# KiCad board ZPool_v1.0.kicad_pcb
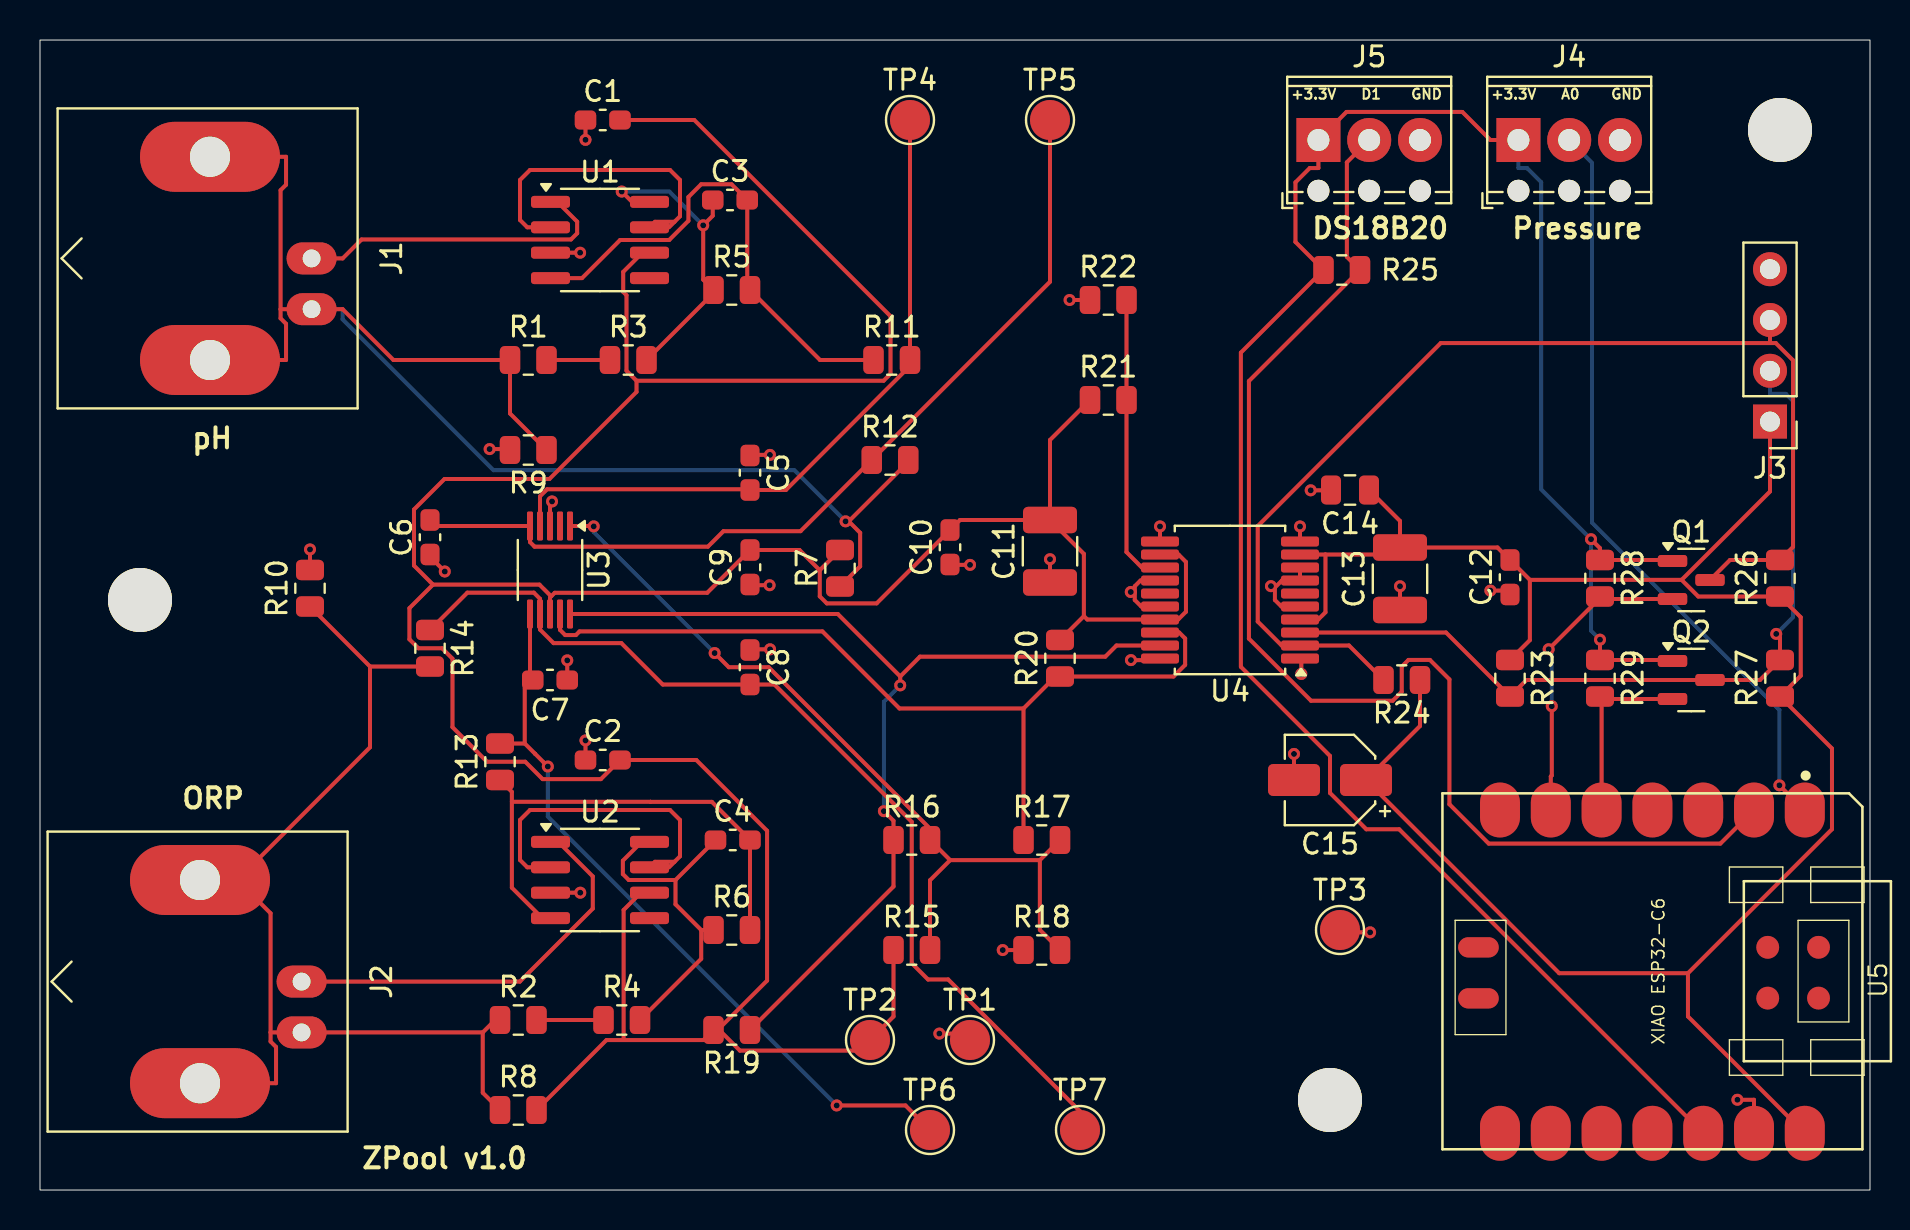
[diagram p0: board, top side]
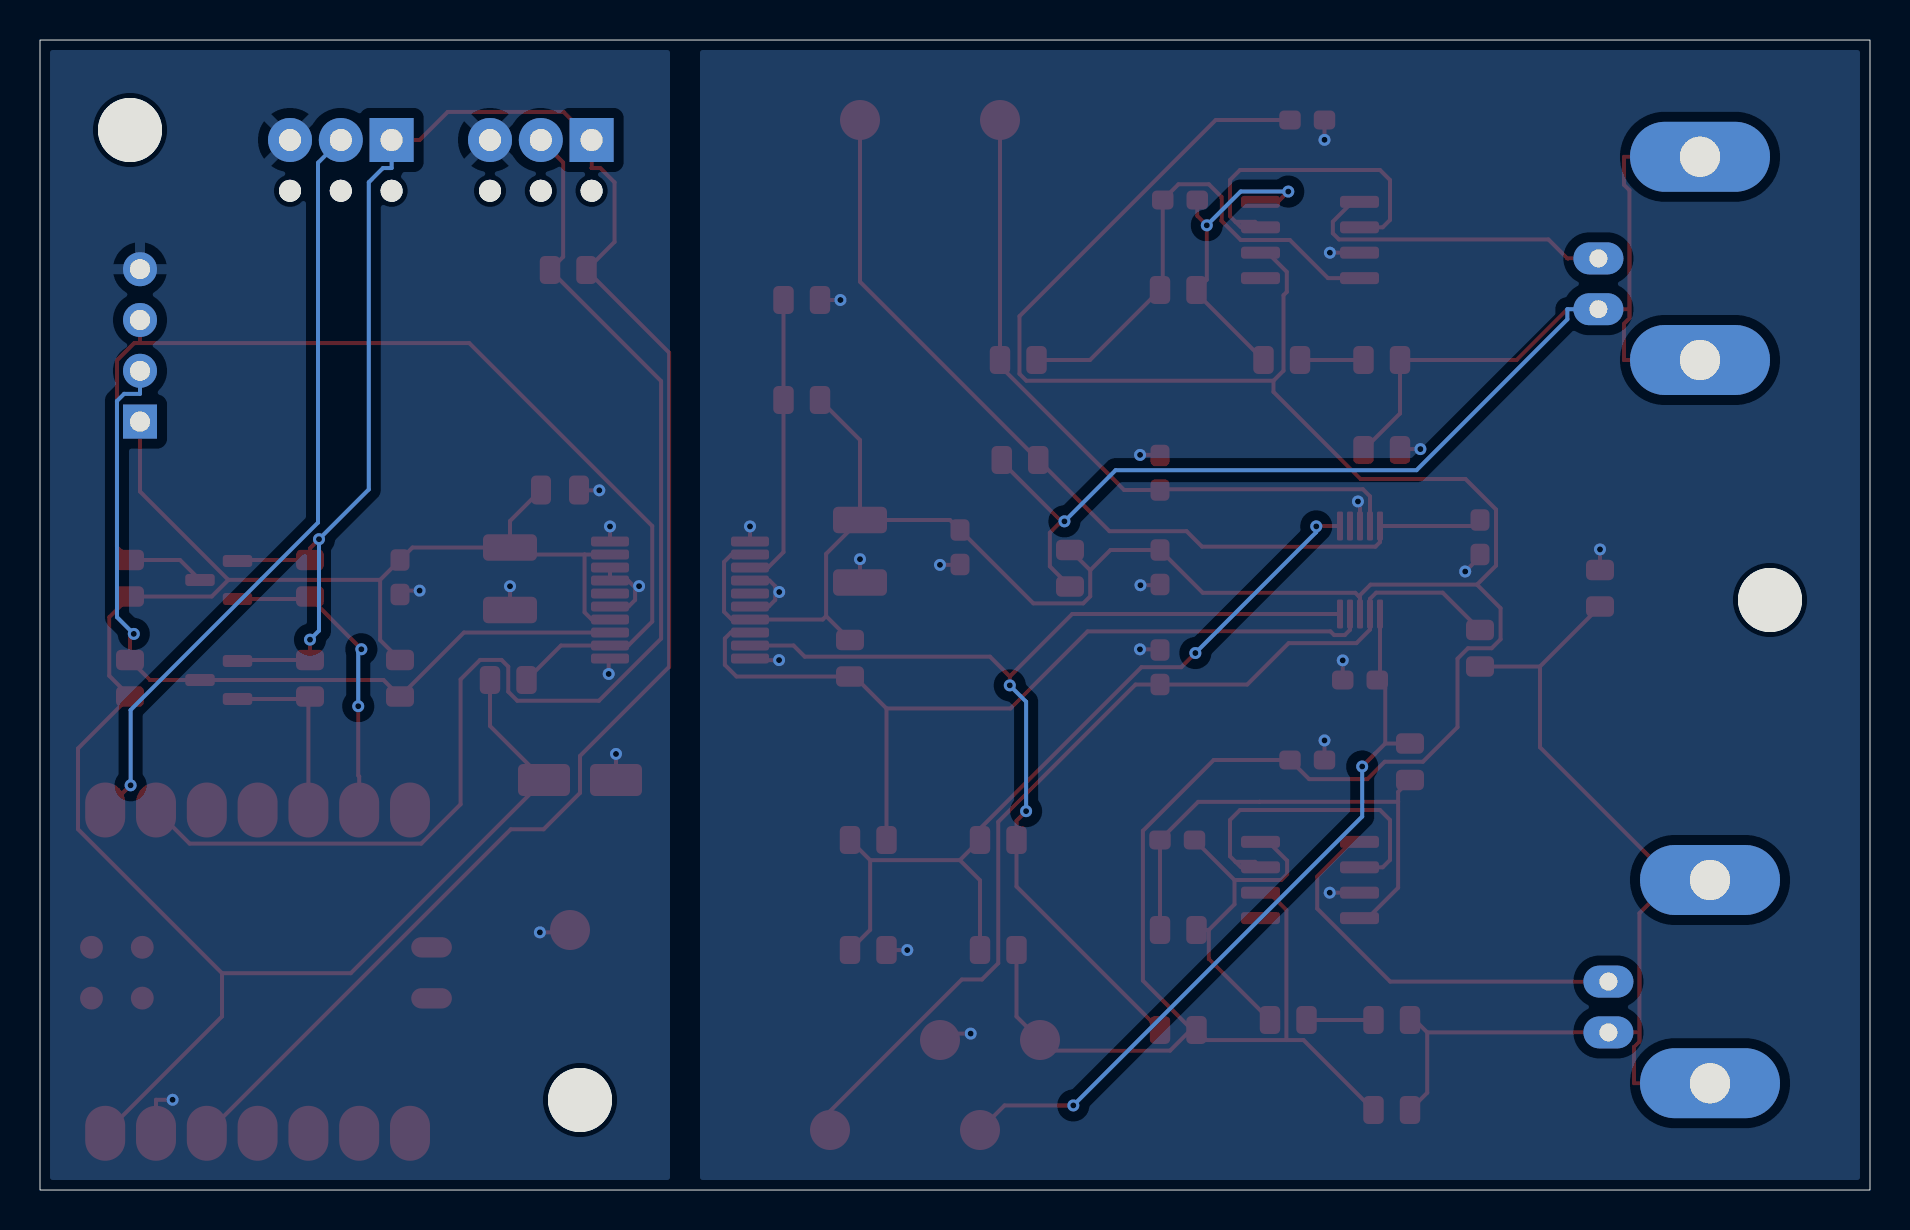
[diagram p1: board, bottom side, seen from below]

Outline 91.5 x 57.5 mm; copper layers: Top, Bottom. Coordinates in mm from the lower left corner of the outline.
Outline path: rectangle 0,57.5 91.5,0
Stack: Top 0.035mm / dielectric 1.51mm FR4 er 4.5 / Bottom 0.035mm

## Placement (name value [footprint] x y rotation side)
C1  100nF  [C_0603_1608Metric_Pad1.08x0.95mm_HandSolder]  28.14 53.5 0 top
C2  100nF  [C_0603_1608Metric_Pad1.08x0.95mm_HandSolder]  28.14 21.5 0 top
C3  100nF  [C_0603_1608Metric_Pad1.08x0.95mm_HandSolder]  34.5 49.5 0 top
C4  100nF  [C_0603_1608Metric_Pad1.08x0.95mm_HandSolder]  34.64 17.5 0 top
C5  1uF  [C_0603_1608Metric_Pad1.08x0.95mm_HandSolder]  35.5 35.86 270 top
C6  1uF  [C_0603_1608Metric_Pad1.08x0.95mm_HandSolder]  19.5 32.64 90 top
C7  1uF  [C_0603_1608Metric_Pad1.08x0.95mm_HandSolder]  25.5 25.5 180 top
C8  1uF  [C_0603_1608Metric_Pad1.08x0.95mm_HandSolder]  35.5 26.14 270 top
C9  100nF  [C_0603_1608Metric_Pad1.08x0.95mm_HandSolder]  35.5 31.14 90 top
C10  100nF  [C_0603_1608Metric_Pad1.08x0.95mm_HandSolder]  45.5 32.14 90 top
C11  10uF  [C_1210_3225Metric_Pad1.33x2.70mm_HandSolder]  50.5 31.94 90 top
C12  100nF  [C_0603_1608Metric_Pad1.08x0.95mm_HandSolder]  73.5 30.64 90 top
C13  10uF  [C_1210_3225Metric_Pad1.33x2.70mm_HandSolder]  68 30.56 90 top
C14  100nF  [C_0805_2012Metric]  65.5 35 180 top
C15  10u  [CP_Elec_4x5.4]  64.5 20.5 180 top
J1  Conn_Coaxial  [BNC_Amphenol_B6252HB-NPP3G-50_Horizontal]  13.58 46.58 90 top
J2  Conn_Coaxial  [BNC_Amphenol_B6252HB-NPP3G-50_Horizontal]  13.08 10.42 90 top
J3  Conn_01x04_Male  [PinHeader_1x04_P2.54mm_Vertical]  86.5 38.42 180 top  (not fitted)
J4  Conn_Pression  [TerminalBlock_Phoenix_MPT-0,5-3-2.54_1x03_P2.54mm_Horizontal]  73.92 52.5 0 top
J5  Conn_DS18B20  [TerminalBlock_Phoenix_MPT-0,5-3-2.54_1x03_P2.54mm_Horizontal]  63.92 52.5 0 top
Q1  BSS138  [SOT-23]  82.56 30.5 0 top
Q2  BSS138  [SOT-23]  82.56 25.5 0 top
R1  100K  [R_0805_2012Metric]  24.41 41.5 0 top
R2  100K  [R_0805_2012Metric]  23.91 8.5 0 top
R3  51K  [R_0805_2012Metric]  29.41 41.5 0 top
R4  51K  [R_0805_2012Metric]  29.09 8.5 0 top
R5  200K  [R_0805_2012Metric]  34.59 45 0 top
R6  1M  [R_0805_2012Metric]  34.59 13 0 top
R7  10K  [R_0805_2012Metric]  40 31.09 90 top
R8  10K  [R_0805_2012Metric]  23.91 4 0 top
R9  10K  [R_0805_2012Metric]  24.41 37 180 top
R10  10K  [R_0805_2012Metric]  13.5 30.09 90 top
R11  10K  [R_0805_2012Metric]  42.59 41.5 0 top
R12  10K  [R_0805_2012Metric]  42.5 36.5 0 top
R13  10K  [R_0805_2012Metric]  23 21.41 90 top
R14  10K  [R_0805_2012Metric]  19.5 27.09 270 top
R15  0  [R_0805_2012Metric]  43.59 12 0 top  (not fitted)
R16  0  [R_0805_2012Metric]  43.59 17.5 0 top  (not fitted)
R17  0  [R_0805_2012Metric]  50.09 17.5 0 top  (not fitted)
R18  0  [R_0805_2012Metric]  50.09 12 0 top  (not fitted)
R19  10K  [R_0805_2012Metric]  34.59 8 180 top
R20  10K  [R_0805_2012Metric]  51 26.59 90 top
R21  R30.9K  [R_0805_2012Metric]  53.41 39.5 0 top
R22  R10K  [R_0805_2012Metric]  53.41 44.5 0 top
R23  10K  [R_0805_2012Metric]  73.5 25.59 270 top
R24  10K  [R_0805_2012Metric]  68.09 25.5 180 top
R25  4K7  [R_0805_2012Metric]  65.09 46 0 top
R26  4,7K  [R_0805_2012Metric]  87 30.59 90 top
R27  4,7K  [R_0805_2012Metric]  87 25.59 90 top
R28  4,7K  [R_0805_2012Metric]  78 30.59 270 top
R29  4,7K  [R_0805_2012Metric]  78 25.59 270 top
REF**  -  [MountingHole_3.2mm_M3]  87 53 0 top
REF**#2  -  [MountingHole_3.2mm_M3]  5 29.5 0 top
REF**#3  -  [MountingHole_3.2mm_M3]  64.5 4.5 0 top
TP1  Test GND Iso  [TestPoint_Pad_D2.0mm]  46.5 7.5 0 top
TP2  Test Vcc Iso  [TestPoint_Pad_D2.0mm]  41.5 7.5 0 top
TP3  Test GND  [TestPoint_Pad_D2.0mm]  65 13 0 top
TP4  Test AIN0  [TestPoint_Pad_D2.0mm]  43.5 53.5 0 top
TP5  Test AIN1  [TestPoint_Pad_D2.0mm]  50.5 53.5 0 top
TP6  Test AIN2  [TestPoint_Pad_D2.0mm]  44.5 3 0 top
TP7  Test AIN3  [TestPoint_Pad_D2.0mm]  52 3 0 top
U1  LMP7721MA/NOPB  [SOIC-8_3.9x4.9mm_P1.27mm]  28 47.5 0 top
U2  LMP7721MA/NOPB  [SOIC-8_3.9x4.9mm_P1.27mm]  28 15.5 0 top
U3  ADS1115IDGS  [VSSOP-10_3x3mm_P0.5mm]  25.5 31 270 top
U4  ADM3260  [SSOP-20_5.3x7.2mm_P0.65mm]  59.5 29.5 180 top
U5  XIAO ESP32-C6  [Seeeduino XIAO-MOUDLE14P-2.54-21X17.8MM]  70.12 19.83 270 top

## Library data of the parts
C1 = -: Mfr. Part #: FCC0603B104K500CT; MANUFACTURER: FOJAN; LCSC Part #: C5137636; ki_fp_filters: C_*
C2-C4 C9 C10 C12 = -: Mfr. Part #: FCC0603B104K500CT; MANUFACTURER: FOJAN; ki_fp_filters: C_*
C5-C8 = -: Mfr. Part #: CGA0603X5R105K160JT; MANUFACTURER: HRE; ki_fp_filters: C_*
C11 C13 = -: Mfr. Part #: EMK325BJ106KN-T; MANUFACTURER: Taiyo Yuden; ki_fp_filters: C_*
C14 = -: Description: Unpolarized capacitor; ki_fp_filters: C_*
C15 = -: Description: Polarized capacitor;  Mfr. Part # : VT1A470M0405; MANUFACTURER: ROQANG; LCSC Part #: C22383767; ki_fp_filters: CP_*
J1 J2 = -: Mfr. Part #: KH-BNC50-3511; MANUFACTURER: Shenzhen Kinghelm Elec; LCSC Part #: C2837587; ki_fp_filters: *BNC* *SMA* *SMB* *SMC* *Cinch* *LEMO*
J3 = -: ki_fp_filters: Connector*:*_1x??_*
J4 J5 = -: Description: Generic connector, single row, 01x03, script generated;  Mfr. Part # : 1725669; MANUFACTURER: Phoenix Contact; LCSC Part #: C5288763; ki_fp_filters: Connector*:*_1x??_*
Q1 = -: Datasheet: https://www.onsemi.com/pub/Collateral/BSS138-D.PDF; MANUFACTURER: hongjiacheng; LCSC Part #: C7420339; ki_fp_filters: SOT?23*
Q2 = -: Datasheet: https://www.onsemi.com/pub/Collateral/BSS138-D.PDF; MANUFACTURER: hongjiacheng;  LCSC Part # : C7420339; ki_fp_filters: SOT?23*
R1 R2 = -: Mfr. Part #: AECR0805F100KK9; MANUFACTURER: RESI; ki_fp_filters: R_*
R3 R4 = -: Description: 1%; MANUFACTURER: RESI; Mfr. Part #: AECR0805F51K0K9; ki_fp_filters: R_*
R5 = -: Description: 1%; Mfr. Part #: AECR0805F200KK9; MANUFACTURER: RESI; ki_fp_filters: R_*
R6 = -: Description: 1%; MANUFACTURER: FOJAN; Mfr. Part #: FRC0805F1004TS; ki_fp_filters: R_*
R7-R14 R19 R20 R23 R24 = -: Mfr. Part #: SCR0805F10K; MANUFACTURER: VO; ki_fp_filters: R_*
R15-R18 = -: ki_fp_filters: R_*
R21 = -: Description: 1%; MANUFACTURER: VO; Mfr. Part #: SCR0805F30K9; ki_fp_filters: R_*
R22 = -: Description: 1%; MANUFACTURER: VO; Mfr. Part #: SCR0805F10K; ki_fp_filters: R_*
R25 R27-R29 = -: Mfr. Part #: SCR0805F4K7; MANUFACTURER: VO; ki_fp_filters: R_*
R26 = -: Mfr. Part # : SCR0805F4K7; MANUFACTURER: VO; ki_fp_filters: R_*
TP1-TP7 = -: ki_fp_filters: Pin* Test*
U1 U2 = -: PARTREV: E; STANDARD: IPC-7351B; MAXIMUM_PACKAGE_HEIGHT: 1.75mm; MANUFACTURER: Texas Instruments; LCSC Part #: C124427
U3 = -: Datasheet: http://www.ti.com/lit/ds/symlink/ads1113.pdf; Mfr. Part #: ADS1115IDGSR; MANUFACTURER: Texas Instruments; LCSC Part #: C37593; ki_fp_filters: TSSOP*3x3mm*P0.5mm*
U4 = -: Mfr. Part #: ADM3260ARSZ-RL7; MANUFACTURER: Analog Devices; LCSC Part #: C658204
U5 = -: SKU: XIAO-HALF-HOLE

## Footprints (pads in the part's own frame, mm; a bottom-side part is the same pattern mirrored in y, then rotated)
BNC_Amphenol_B6252HB-NPP3G-50_Horizontal
  oval 1.6x2.5 hole 0.89: 1(0,0) 2(-2.54,0)
  oval 3.5x7 hole 2.01: 2(-5.08,5.08) 2(5.08,5.08)
C_0603_1608Metric_Pad1.08x0.95mm_HandSolder
  rrect 1.075x0.95 smd: 1(-0.863,0) 2(0.863,0)
C_0805_2012Metric
  rrect 1x1.45 smd: 1(-0.95,0) 2(0.95,0)
C_1210_3225Metric_Pad1.33x2.70mm_HandSolder
  rrect 1.325x2.7 smd: 1(-1.562,0) 2(1.562,0)
CP_Elec_4x5.4
  rrect 2.6x1.6 smd: 1(-1.8,0) 2(1.8,0)
MountingHole_3.2mm_M3
  round 3.2 hole 3.2 unplated: (0,0)
PinHeader_1x04_P2.54mm_Vertical
  rect 1.7x1.7 hole 1: 1(0,0)
  oval 1.7x1.7 hole 1: 2(0,-2.54) 3(0,-5.08) 4(0,-7.62)
R_0805_2012Metric
  rrect 1.025x1.4 smd: 1(-0.912,0) 2(0.912,0)
Seeeduino XIAO-MOUDLE14P-2.54-21X17.8MM
  oval 2.748x1.999 smd: 1(0.833,18.118) 2(0.833,15.578) 3(0.833,13.038) 4(0.833,10.498) 5(0.833,7.958) 6(0.833,5.418) 7(0.833,2.878) 8(16.998,2.878) 9(16.998,5.418) 10(16.998,7.958) 11(16.998,10.498) 12(16.998,13.038) 13(16.998,15.578) 14(16.998,18.118)
  oval 1.016x2.032 smd: 15(7.7,1.8) 16(10.25,1.8)
  round 1.143 smd: 17(7.699,18.804) 18(10.239,18.804) 19(7.699,16.264) 20(10.239,16.264)
SOIC-8_3.9x4.9mm_P1.27mm
  rrect 1.95x0.6 smd: 1(-2.475,1.905) 2(-2.475,0.635) 3(-2.475,-0.635) 4(-2.475,-1.905) 5(2.475,-1.905) 6(2.475,-0.635) 7(2.475,0.635) 8(2.475,1.905)
SOT-23
  rrect 1.475x0.6 smd: 1(-0.938,0.95) 2(-0.938,-0.95) 3(0.938,0)
SSOP-20_5.3x7.2mm_P0.65mm
  rrect 1.9x0.5 smd: 1(-3.5,2.925) 2(-3.5,2.275) 3(-3.5,1.625) 4(-3.5,0.975) 5(-3.5,0.325) 6(-3.5,-0.325) 7(-3.5,-0.975) 8(-3.5,-1.625) 9(-3.5,-2.275) 10(-3.5,-2.925) 11(3.5,-2.925) 12(3.5,-2.275) 13(3.5,-1.625) 14(3.5,-0.975) 15(3.5,-0.325) 16(3.5,0.325) 17(3.5,0.975) 18(3.5,1.625) 19(3.5,2.275) 20(3.5,2.925)
TerminalBlock_Phoenix_MPT-0,5-3-2.54_1x03_P2.54mm_Horizontal
  round 1.1 hole 1.1 unplated: (0,-2.54) (2.54,-2.54) (5.08,-2.54)
  rect 2.2x2.2 hole 1.1: 1(0,0)
  round 2.2 hole 1.1: 2(2.54,0) 3(5.08,0)
TestPoint_Pad_D2.0mm
  round 2 smd: 1(0,0)
VSSOP-10_3x3mm_P0.5mm
  rrect 1.45x0.3 smd: 1(-2.2,1) 2(-2.2,0.5) 3(-2.2,0) 4(-2.2,-0.5) 5(-2.2,-1) 6(2.2,-1) 7(2.2,-0.5) 8(2.2,0) 9(2.2,0.5) 10(2.2,1)

## Nets
+3.3V: J4.1 J5.1 Q1.1 Q2.1 R25.1 R28.1 R29.1 U5.12
+5V: C12.2 C13.2 C14.1 C15.1 J3.1 R23.1 R24.1 R26.1 R27.1 U4.4 U4.9 U5.14
GND: C12.1 C13.1 C14.2 C15.2 J3.4 J4.3 J5.3 TP3.1 U4.1 U4.5 U4.7 U4.8 U4.10 U5.13
GND Iso: C1.1 C2.1 C5.1 C6.1 C7.1 C8.1 C9.1 C10.1 C11.1 R9.2 R10.2 R18.1 R22.1 TP1.1 U1.3 U2.3 U3.3 U4.11 U4.14 U4.16 U4.20
Vcc Iso: C1.2 C2.2 C9.2 C10.2 C11.2 R7.2 R8.2 R15.1 R19.2 R20.2 R21.1 TP2.1 U1.6 U2.6 U3.8 U4.12 U4.17
A0: J4.2 U5.1
D1: J5.2 R25.2 U5.2
SCL: J3.3 Q1.3 R24.2 R26.2 U4.2
SCL3.3: Q1.2 R28.2 U5.6
SDA: J3.2 Q2.3 R23.2 R27.2 U4.3
SDA3.3: Q2.2 R29.2 U5.5
Net-(C3-Pad1): C3.1 R3.2 R5.1 U1.8
Net-(C3-Pad2): C3.2 R5.2 R11.1 U1.4
Net-(C4-Pad1): C4.1 R4.2 R6.1 U2.8
Net-(C4-Pad2): C4.2 R6.2 R13.1 U2.4
Net-(J1-Ext): J1.2 R1.1 R7.1 R9.1 R12.2
Net-(J1-In): J1.1 U1.1
Net-(J2-Ext): J2.2 R2.1 R8.1 R10.1 R14.2
Net-(J2-In): J2.1 U2.1
Net-(R1-Pad2): R1.2 R3.1
Net-(R2-Pad2): R2.2 R4.1
Net-(U3-ADDR): R15.2 R16.2 R17.2 R18.2 U3.1
Net-(U3-AIN0): C5.2 R11.2 TP4.1 U3.4
Net-(U3-AIN1): C6.2 R12.1 TP5.1 U3.5
Net-(U3-AIN2): C7.2 R13.2 TP6.1 U3.6
Net-(U3-AIN3): C8.2 R14.1 TP7.1 U3.7
Net-(U3-SCL): R16.1 R19.1 U3.10 U4.19
Net-(U3-SDA): R17.1 R20.1 U3.9 U4.18
Net-(U4-VSEL): R21.2 R22.2 U4.13

Pads without a net: U1 2 5 7; U2 2 5 7; U3 2; U4 6 15; U5 3 4 7 8 9 10 11 15 16 17 18 19 20

## Via types
v1: diameter 0.6, hole 0.3, Top to Bottom, 44 vias

## Routing (per net, layer and track width the routed paths; a pad name or vN(x,y) marks a point on that pad's centre or on a via; arc(x,y) is an arc through that point)
+3.3V: length 110.8
  Top w0.2: v1(77.55,32.54) 78,32.09 R28.1 81.57,31.5 Q1.1 ; v1(78,27.52) R29.1 81.57,26.5 Q2.1 ; J4.1 72.52,52.5 71.12,53.9 65.32,53.9 J5.1 63.92,51.1 63.49,51.1 62.77,50.38 62.77,47.4 R25.1 60.04,41.87 60.04,26.16 64.5,21.7 64.5,19.85 66.32,18.04 67.96,18.04 U5.12
  Bottom w0.2: J4.1 73.92,51.1 74.35,51.1 75.06,50.39 75.06,35.03 v1(77.55,32.54) 77.55,27.97 v1(78,27.52)
+5V: length 107.5
  Top w0.2: 82.4,10.84 75.96,10.84 C15.1 69,23.2 R24.1 ; 82.4,10.84 89.6,18.04 89.6,22.08 R27.1 88.04,25.71 88.04,28.64 R26.1 82.91,29.67 82.08,30.51 ; 82.4,10.84 82.4,8.68 U5.14 ; J3.1 86.5,34.92 82.08,30.51 ; C13.2 72.88,32.12 C12.2 74.49,30.51 ; C13.2 68,33.45 C14.1 ; C13.2 67.65,31.78 64.27,31.78 ; U4.4 63.91,28.53 64.27,28.88 64.27,31.78 ; 82.08,30.51 74.49,30.51 ; 74.49,30.51 74.49,27.49 R23.1 ; 64.27,31.78 U4.9
GND: length 14.5
  Top w0.2: U4.10 v1(63,33.18) ; C12.1 73.31,29.97 v1(72.52,29.97) ; 61.75,30.12 61.75,29.5 62.07,29.17 U4.5 ; 61.75,30.12 61.68,30.19 v1(61.55,30.19) ; 61.75,30.12 62.1,30.47 U4.7 U4.8 ; C14.2 64.53,34.98 v1(63.54,34.98) ; TP3.1 65.12,12.88 v1(66.51,12.88) ; v1(84.87,4.51) 85.7,4.51 U5.13 ; v1(63.06,25.8) 63.06,26.51 U4.1 ; C13.1 v1(68,30.19) ; C15.2 v1(62.7,21.8)
GND Iso: length 25.2
  Top w0.2: U4.14 55.03,30.47 54.74,30.19 54.74,29.9 ; U3.3 25.5,34.33 v1(25.6,34.43) ; v1(44.97,7.82) 46.18,7.82 TP1.1 ; v1(36.5,36.75) 35.53,36.75 C5.1 ; U4.16 55.06,29.17 54.74,29.5 54.74,29.9 ; U1.3 v1(27.01,46.86) ; 54.74,29.9 v1(54.54,29.9) ; R18.1 49.17,12 v1(48.14,12) ; C2.1 v1(27.28,22.48) ; v1(46.5,31.26) 45.52,31.26 C10.1 ; v1(51.48,44.5) R22.1 ; v1(36.5,27.03) 35.53,27.03 C8.1 ; v1(13.5,32.03) R10.2 ; v1(22.48,37.05) 23.45,37.05 R9.2 ; C7.1 v1(26.36,26.48) ; U4.11 v1(56,33.18) ; C11.1 v1(50.5,31.54) ; v1(36.48,30.24) 35.54,30.24 C9.1 ; C6.1 19.5,31.66 v1(20.24,30.92) ; U2.3 v1(27.01,14.86) ; C1.1 v1(27.28,52.51) ; U4.20 55.92,26.5 v1(54.55,26.5)
Vcc Iso: length 191.3
  Top w0.2: 25.56,29.68 24.97,30.27 19.65,30.27 ; 25.56,29.68 25.74,29.86 33.36,29.86 C9.2 37.98,32 38.99,30.99 ; 25.56,29.68 25.5,29.62 U3.8 ; 29.18,7.5 33.17,7.5 R19.2 33.89,8 33.93,8.04 ; 29.18,7.5 29.18,14 30.04,14.86 U2.6 ; 29.18,7.5 28.32,7.5 R8.2 ; 38.99,30.99 38.99,29.68 39.34,29.33 41.83,29.33 C10.2 46,33.5 C11.2 ; 38.99,30.99 R7.2 ; C11.2 50.5,37.5 R21.1 ; C11.2 52.19,31.81 52.19,28.69 ; 29.83,40.46 29.83,39.9 25.47,35.55 20.22,35.55 18.7,34.02 18.7,31.22 19.65,30.27 ; 29.83,40.46 42.18,40.46 42.53,40.81 42.53,43.69 32.71,53.5 C1.2 ; 29.83,40.46 29.32,40.96 29.32,44.74 29.16,44.9 29.16,45.91 30.12,46.86 U1.6 ; 52.19,28.69 R20.2 ; 52.19,28.69 52.36,28.53 U4.17 56.91,28.53 57.3,28.91 57.3,31.4 56.92,31.78 U4.12 ; 33.93,8.04 35,6.97 40.97,6.97 TP2.1 42.67,8.67 R15.1 ; 33.93,8.04 36.35,10.47 36.35,17.96 32.82,21.5 C2.2 28.04,20.54 25.13,20.54 24.26,21.41 22.35,21.41 20.62,23.14 20.62,26.56 20.1,27.09 18.92,27.09 18.47,27.53 18.47,29.09 19.65,30.27
A0: length 38.4
  Top w0.2: U5.1 88.2,19 v1(86.97,20.23)
  Bottom w0.2: J4.2 77.6,51.36 77.6,33.37 86.97,24 v1(86.97,20.23)
D1: length 64.2
  Top w0.2: J5.2 65.34,51.38 65.34,46.66 R25.2 60.45,40.45 60.45,27.57 63.55,24.46 67.63,24.46 68.09,24.92 68.09,26.17 68.42,26.5 69.5,26.5 70.47,25.53 70.47,19.29 72.44,17.32 84.02,17.32 U5.2
SCL: length 58.5
  Top w0.2: Q1.3 84.5,31.5 R26.2 87.65,32.15 87.65,41.48 86.79,42.35 86.5,42.35 ; 86.5,42.35 70.04,42.35 60.89,33.2 60.89,28.42 62.08,27.22 U4.2 65.45,27.22 R24.2 ; 86.5,42.35 J3.3
SCL3.3: length 15.5
  Top w0.2: 78,29.55 77.94,29.55 v1(75.43,27.04) ; 78,29.55 Q1.2 ; 78,29.55 R28.2 ; v1(75.59,24.19) 75.59,20.72 75.54,20.68 U5.6
  Bottom w0.2: v1(75.59,24.19) 75.59,26.88 v1(75.43,27.04)
SDA: length 41.9
  Top w0.2: v1(86.81,27.81) 87,27.62 R27.2 86,25.5 Q2.3 74.32,25.5 R23.2 70.3,27.88 U4.3
  Bottom w0.2: v1(86.81,27.81) 87.65,28.65 87.65,39.45 87.29,39.81 86.5,39.81 J3.2
SDA3.3: length 9.3
  Top w0.2: 78.08,24.55 78.08,24.59 R29.2 ; 78.08,24.55 Q2.2 ; 78.08,24.55 U5.5
Net-(C3-Pad1): length 16.2
  Top w0.2: v1(29.09,49.92) 29.6,49.41 U1.8 ; C3.1 33.64,48.71 v1(33.16,48.23) 33.16,45.52 R5.1 33.67,44.85 R3.2
  Bottom w0.2: v1(33.16,48.23) 31.47,49.92 v1(29.09,49.92)
Net-(C3-Pad2): length 25
  Top w0.2: R11.1 39,41.5 R5.2 35.36,45.14 C3.2 34.58,50.29 33.06,50.29 32.42,49.65 32.42,48.46 31.46,47.5 29.01,47.5 27.1,45.59 U1.4
Net-(C4-Pad1): length 17.4
  Top w0.2: 33.06,13 33.06,11.56 R4.2 ; 33.06,13 R6.1 ; 33.06,13 31.78,14.28 31.78,15.5 ; 31.78,15.5 29.44,15.5 29.14,15.79 29.14,16.47 30.08,17.41 U2.8 ; 31.78,15.5 C4.1
Net-(C4-Pad2): length 25.4
  Top w0.2: R13.1 23.59,19.91 23.59,19.41 ; 23.59,19.41 30.52,19.41 30.52,19.41 33.59,19.41 C4.2 R6.2 ; 23.59,19.41 23.59,15.11 25.11,13.59 U2.4
Net-(J1-Ext): length 75.5
  Top w0.2: R7.1 41.01,31.18 41.01,32.86 40.44,33.43 ; 12.03,44.04 J1.2 15.13,44.04 17.67,41.5 R1.1 23.5,38.83 R9.1 ; 12.03,44.04 12.03,43.58 12.3,43.31 12.3,41.5 J1.2 ; 12.03,44.04 12.03,49.99 12.3,50.26 12.3,51.66 J1.2 ; 40.44,33.43 43.41,36.41 R12.2 ; 40.44,33.43 v1(40.28,33.43)
  Bottom w0.2: J1.2 15.13,44.04 15.13,43.53 22.67,35.99 37.72,35.99 v1(40.28,33.43)
Net-(J1-In): length 16.1
  Top w0.2: U1.1 25.87,49.41 26.86,48.42 26.86,47.84 26.55,47.53 16.08,47.53 15.13,46.58 J1.1
Net-(J2-Ext): length 53.3
  Top w0.2: 22.14,7.88 22.14,4.86 R8.1 ; 22.14,7.88 J2.2 11.53,7.88 ; 22.14,7.88 22.76,8.5 R2.1 ; 16.5,26.17 R10.1 ; 16.5,26.17 16.5,22.14 9.86,15.5 ; 16.5,26.17 R14.2 ; 11.53,7.88 11.53,7.42 11.8,7.15 11.8,5.34 J2.2 ; 11.53,7.88 11.53,13.84 9.86,15.5 ; 9.86,15.5 J2.2
Net-(J2-In): length 20.5
  Top w0.2: U2.1 25.91,17.41 27.64,15.68 27.64,14.07 23.99,10.42 J2.1
Net-(R1-Pad2): length 3.2
  Top w0.2: R3.1 R1.2
Net-(R2-Pad2): length 3.3
  Top w0.2: R4.1 R2.2
Net-(U3-ADDR): length 42.2
  Top w0.2: 45.51,16.49 49.99,16.49 ; 45.51,16.49 R16.2 44.5,18.07 36.43,26.14 34.44,26.14 v1(33.73,26.85) ; 45.51,16.49 44.5,15.49 R15.2 ; 49.99,16.49 R17.2 ; 49.99,16.49 49.99,13.01 R18.2 ; U3.1 27.67,33.2 v1(27.69,33.18)
  Bottom w0.2: v1(27.69,33.18) 27.69,32.89 v1(33.73,26.85)
Net-(U3-AIN0): length 35
  Top w0.2: TP4.1 R11.2 43.5,41.21 37.29,35 C5.2 35.46,35.04 25.35,35.04 25,34.68 U3.4
Net-(U3-AIN1): length 45.6
  Top w0.2: TP5.1 50.5,45.41 R12.1 38.03,32.94 34.17,32.94 33.4,32.17 24.73,32.17 24.5,32.39 U3.5 19.8,33.2 C6.2
Net-(U3-AIN2): length 37.7
  Top w0.2: v1(39.83,4.23) 43.27,4.23 TP6.1 ; 24.24,22.33 24.24,25.1 C7.2 24.5,25.64 U3.6 ; 24.24,22.33 R13.2 ; 24.24,22.33 24.75,21.81 24.75,21.81 25.19,21.37 25.19,21.37 25.39,21.17 v1(25.39,21.17)
  Bottom w0.2: v1(25.39,21.17) 25.39,18.67 v1(39.83,4.23)
Net-(U3-AIN3): length 50
  Top w0.2: R14.1 21.37,29.87 24.69,29.87 25,29.56 U3.7 25,28.02 25.68,27.34 29.07,27.34 31.14,25.28 C8.2 36.72,25.28 43.59,18.41 43.59,11.34 44.4,10.53 45.41,10.53 52,3.94 TP7.1
Net-(U3-SCL): length 52.6
  Top w0.2: 43.01,25.68 39.89,28.8 U3.10 ; 43.01,25.68 v1(43.01,25.23) ; 43.01,25.68 44,26.67 53.26,26.67 53.82,27.22 U4.19 ; v1(42.19,18.94) 42.67,18.46 R16.1 42.67,15.17 R19.1
  Bottom w0.2: v1(43.01,25.23) 42.19,24.42 v1(42.19,18.94)
Net-(U3-SDA): length 44
  Top w0.2: R17.1 49.18,24.08 ; 49.18,24.08 50.77,25.67 R20.1 56.68,25.67 57.26,26.26 57.26,27.58 56.96,27.88 U4.18 ; 49.18,24.08 42.97,24.08 39.12,27.93 26.98,27.93 26.79,27.75 26.26,27.75 26,28.01 U3.9
Net-(U4-VSEL): length 14.6
  Top w0.2: R22.2 R21.2 54.32,31.89 55.09,31.12 U4.13
unconnected-(U1-N/C_2-Pad2): length 16
  Top w0.2: U1.7 30.75,48.41 31.72,48.41 ; U1.2 24.36,48.13 24,48.5 24,50.5 24.5,51 31.5,51 32,50.5 32,48.69 31.72,48.41 ; 31.72,48.41 31.45,48.13
unconnected-(U2-N/C_2-Pad2): length 16
  Top w0.2: 31.72,16.41 32,16.69 32,18.5 31.5,19 24.5,19 24,18.5 24,16.5 24.36,16.14 U2.2 ; 31.72,16.41 31.45,16.14 ; 31.72,16.41 30.75,16.41 U2.7

## Copper pours and planes (outline as drawn; the poured copper is in the pictures)
GND on Bottom: 60,57.5 60,0 91.5,0 91.5,57.5
GND Iso on Bottom: 0,57.5 58.5,57.5 58.5,0 0,0

## Text on the board
F.Silkscreen: +3.3V | D1 | GND | A0 | ORP | pH | ZPool v1.0 | DS18B20 | Pressure
